# Allegro board Try it by yourself - iMX6Rex module - Create Class - Assign Color - Copy last segment.brd
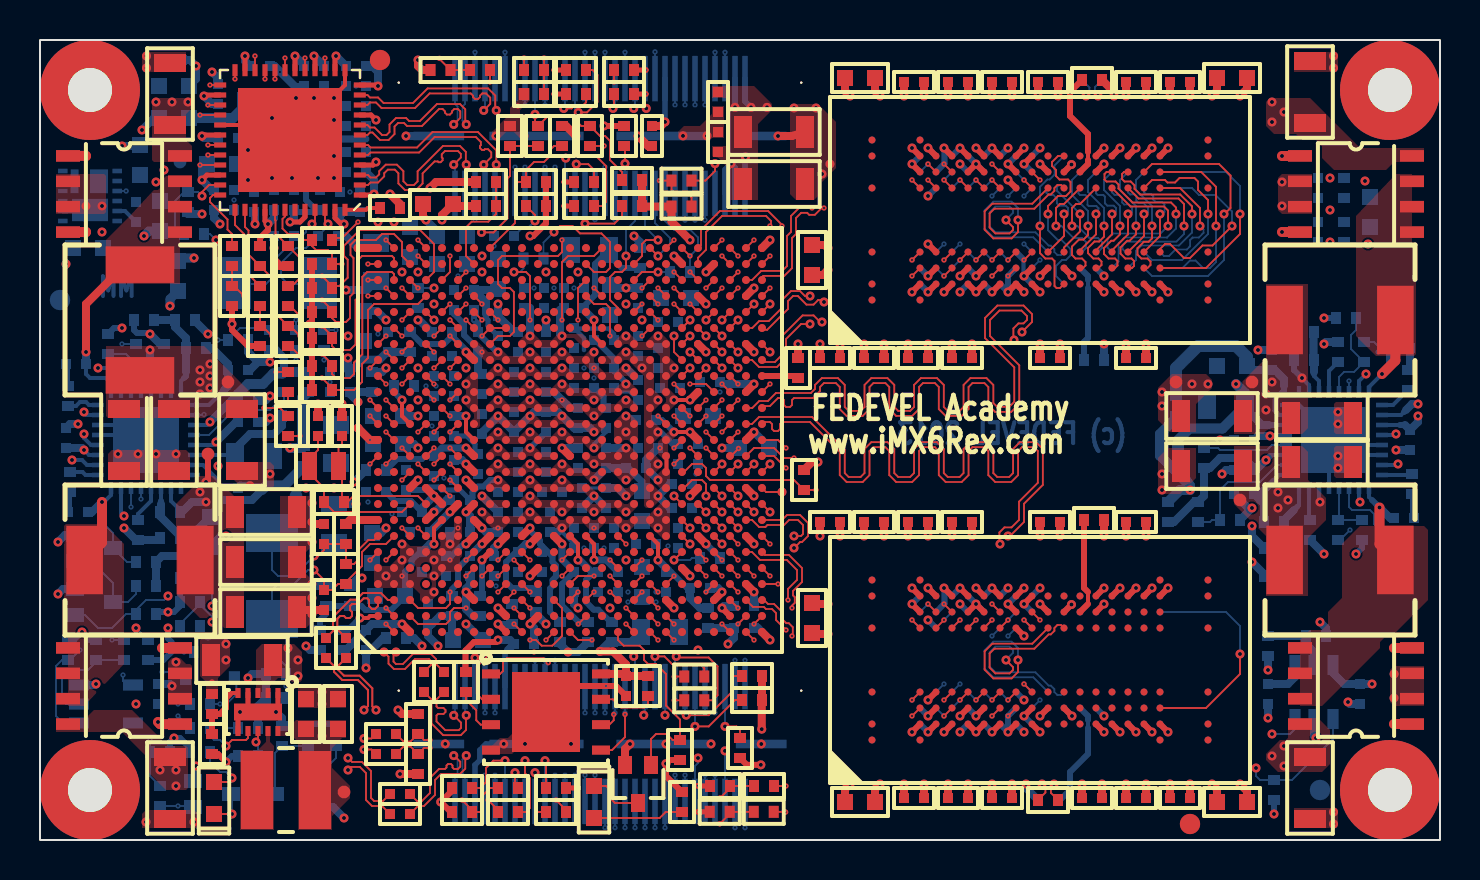
[diagram p0: board, top side]
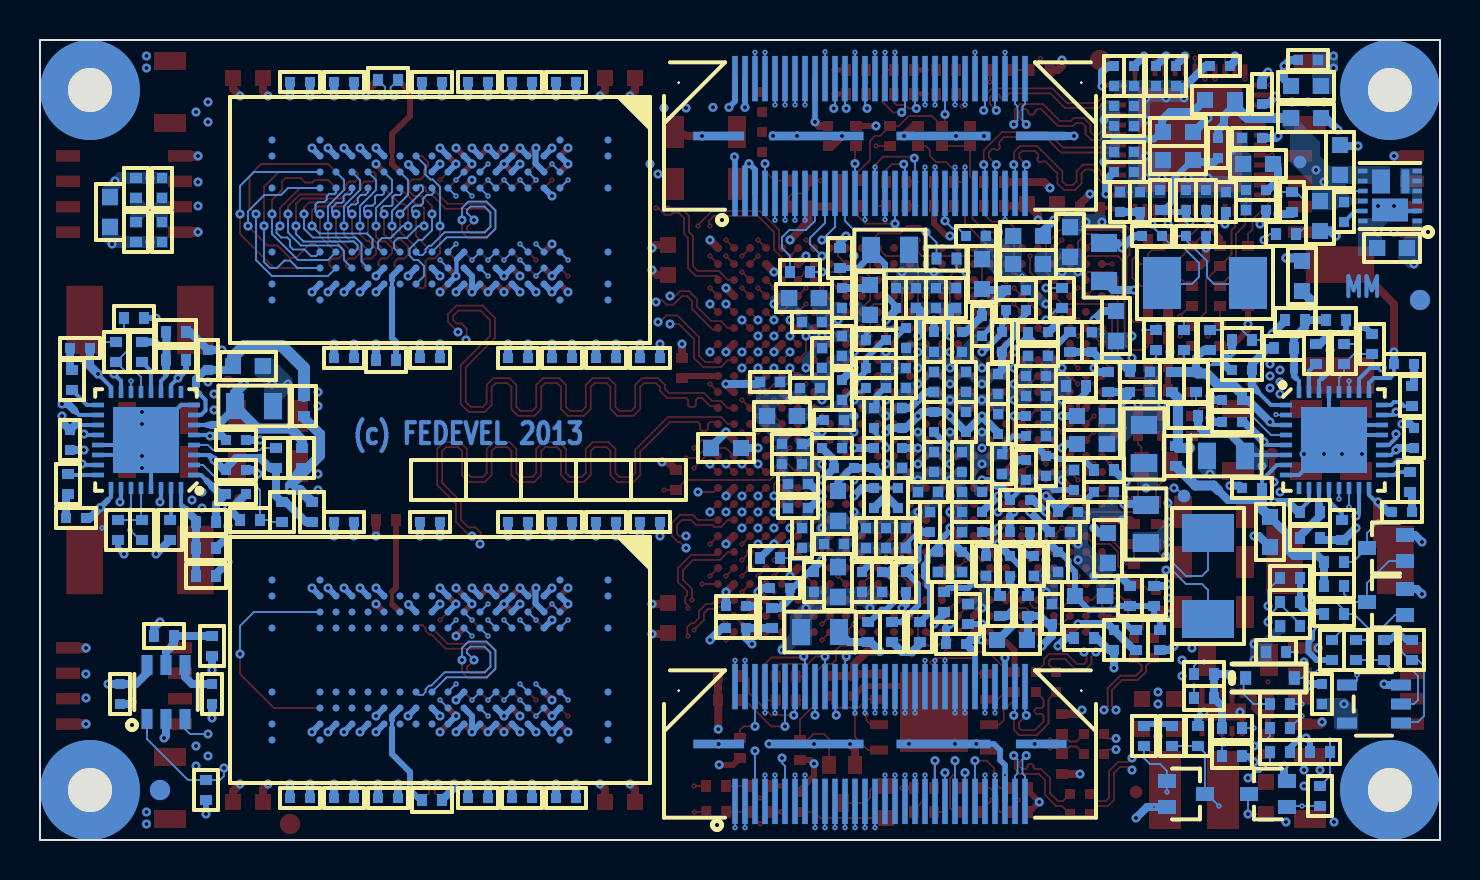
[diagram p1: board, bottom side, seen from below]

Outline 70 x 40 mm; copper layers: TOP, L2, L3, L4, L5 (PWR), L6 (PWR), L7 (PWR), L8 (PWR), L9, L10, L11, BOTTOM. Coordinates in mm from the lower left corner of the outline.
Outline path: rectangle 0,0 70,40

## Design rules (mm)
constraint set DEFAULT: min track width 0.08
net group DP_CLK1: nets CLK1_N CLK1_P
net group DP_HDMI_CLK: nets HDMI_CLK_N HDMI_CLK_P
net group DP_HDMI_D0: nets HDMI_D0_N HDMI_D0_P
net group DP_HDMI_D1: nets HDMI_D1_N HDMI_D1_P
net group DP_HDMI_D2: nets HDMI_D2_N HDMI_D2_P
net group DP_LVDS0_CLK: nets LVDS0_CLK_N LVDS0_CLK_P
net group DP_LVDS0_TX0: nets LVDS0_TX0_N LVDS0_TX0_P
net group DP_LVDS0_TX1: nets LVDS0_TX1_N LVDS0_TX1_P
net group DP_LVDS0_TX2: nets LVDS0_TX2_N LVDS0_TX2_P
net group DP_LVDS0_TX3: nets LVDS0_TX3_N LVDS0_TX3_P
net group DP_PCIE_C_TX: nets PCIE_C_TX_N PCIE_C_TX_P
net group DP_PCIE_RX: nets PCIE_RX_N PCIE_RX_P
net group DP_PCIE_TX: nets PCIE_TX_N PCIE_TX_P
net group DP_SATA_C_RX: nets SATA_C_RX_N SATA_C_RX_P
net group DP_SATA_C_TX: nets SATA_C_TX_N SATA_C_TX_P
net group DP_SATA_RX: nets SATA_RX_N SATA_RX_P
net group DP_SATA_TX: nets SATA_TX_N SATA_TX_P
net group DP_TRD0: nets TRD0_N TRD0_P
net group DP_TRD1: nets TRD1_N TRD1_P
net group DP_TRD2: nets TRD2_N TRD2_P
net group DP_TRD3: nets TRD3_N TRD3_P
net group DP_USB0: nets USB0_N USB0_P
net group DP_USB1: nets USB1_N USB1_P
net group DRAM_CLK_DQS_TO_CLK: nets DRAM_DQS0_N DRAM_DQS0_P
net group DRAM_DATA_BANK0: nets DRAM_D0 DRAM_D1 DRAM_D2 DRAM_D3 DRAM_D4 DRAM_D5 DRAM_D6 DRAM_D7 DRAM_DQM0
net group ENC_DRAM_ADDR_CMD_CTL: nets DRAM_A0 DRAM_A1 DRAM_A2 DRAM_A3 DRAM_A4 DRAM_A5 DRAM_A6 DRAM_A7 DRAM_A8 DRAM_A9 DRAM_A10 DRAM_A11 DRAM_A12 DRAM_A13 DRAM_A14 DRAM_A15
net group ENC_DRAM_CLKS: nets DRAM_CLK0_N DRAM_CLK0_P DRAM_CLK1_N DRAM_CLK1_P
net group ENC_DRAM_DATA_BANK1: nets DRAM_D8 DRAM_D9 DRAM_D10 DRAM_D11 DRAM_D12 DRAM_D13 DRAM_D14 DRAM_D15 DRAM_DQM1 DRAM_DQS1_N DRAM_DQS1_P
net group ENC_DRAM_DATA_BANK2: nets DRAM_D16 DRAM_D17 DRAM_D18 DRAM_D19 DRAM_D20 DRAM_D21 DRAM_D22 DRAM_D23 DRAM_DQM2 DRAM_DQS2_N DRAM_DQS2_P
net group ENC_DRAM_DATA_BANK3: nets DRAM_D24 DRAM_D25 DRAM_D26 DRAM_D27 DRAM_D28 DRAM_D29 DRAM_D30 DRAM_D31 DRAM_DQM3 DRAM_DQS3_N DRAM_DQS3_P
net group ENC_DRAM_DATA_BANK4: nets DRAM_D32 DRAM_D33 DRAM_D34 DRAM_D35 DRAM_D36 DRAM_D37 DRAM_D38 DRAM_D39 DRAM_DQM4 DRAM_DQS4_N DRAM_DQS4_P
net group ENC_DRAM_DATA_BANK5: nets DRAM_D40 DRAM_D41 DRAM_D42 DRAM_D43 DRAM_D44 DRAM_D45 DRAM_D46 DRAM_D47 DRAM_DQM5 DRAM_DQS5_N DRAM_DQS5_P
net group ENC_DRAM_DATA_BANK6: nets DRAM_D48 DRAM_D49 DRAM_D50 DRAM_D51 DRAM_D52 DRAM_D53 DRAM_D54 DRAM_D55 DRAM_DQM6 DRAM_DQS6_N DRAM_DQS6_P
net group ENC_DRAM_DATA_BANK7: nets DRAM_D56 DRAM_D57 DRAM_D58 DRAM_D59 DRAM_D60 DRAM_D61 DRAM_D62 DRAM_D63 DRAM_DQM7 DRAM_DQS7_N DRAM_DQS7_P
net group ENC_DRAM_OTHER: nets DRAM0_ZQ DRAM1_ZQ DRAM2_ZQ DRAM3_ZQ DRAM_RESET_B
net group ENC_POWERS: nets +1V1_NVCC_PLL_OUT +1V1_VDDSOC_CAP +1V2_ETH +1V2_ETH_AVDDL +1V2_ETH_AVDDL_PLL +1V2_ETH_DVDDL +1V2_VDD_ARM_CAP +1V5_DDR +1V375 +1V375_VDDSOC_IN +2V5 +2V5_ETH_DVDDH +2V5_VDDHIGH_VPH +3V0_ALWAYS +3V3 +3V3_ETH_AVDDH +5V_LDO1 +5V_LDO2 +5V_PVCC1 +5V_PVCC2 +5V_USB_VBUS +5V_VCC1 +5V_VCC2 +DDR_VREF +HDMI_VP +HDMI_VPH +LVDS_2V5 +NVCC_CSI +NVCC_ENET +NVCC_MIPI +NVCC_RGMII +PCIE_VP +PCIE_VPH +PCIE_VPTX +SATA_VP +SATA_VPH +VDD_SNVS_CAP +VDDPU +VDDUSB +VIN +VREF1_2V_1V5 +VREF1_2V_1V375 +VREF1_3V3_1V5 +VREF1_3V3_1V375 GND

## Placement (name value [footprint] x y rotation side)
C1  -  [C0402_6]  24.2 9.8 0 bottom
C2  -  [C1206_1]  36.7 35.4 0 top
C3  -  [C0402_7]  50.5 15.9 180 top
C4  -  [C0402]  52.6 2.1 180 top
C5  -  [C0402_8]  50.5 15.9 180 bottom
C6  -  [C0402_1]  52.6 2.1 180 bottom
C7  -  [C0402_9]  35.2 11.7 0 bottom
C8  -  [C0402_10]  50.4 37.9 180 top
C9  -  [C0402_11]  50.5 24.1 180 top
C10  -  [C0402_184]  50.4 37.9 180 bottom
C11  -  [C0402_12]  50.5 24.1 180 bottom
C12  -  [C0603_7]  38.6 11.1 270 top
C13  -  [C0603_4]  59.6 1.9 0 top
C14  -  [C0603_3]  41 1.9 180 top
C15  -  [C0603_5]  41 38.1 180 top
C16  -  [C0603_6]  59.6 38.1 0 top
C17  -  [C0603_8]  38.6 29 90 top
C18  -  [C0402_185]  63.9 32.6 270 bottom
C19  -  [C0603_36]  66.5 31.4 270 bottom
C20  -  [C0402_186]  63.9 30.4 270 bottom
C21  -  [C0402_23]  57 2.1 0 top
C22  -  [C0402_24]  54.8 15.9 0 top
C23  -  [C0402_25]  46.1 15.9 180 top
C24  -  [C0402_26]  41.7 15.9 180 top
C25  -  [C0402_27]  43.9 15.9 180 top
C26  -  [C0402_28]  39.5 15.9 180 top
C27  -  [C0402_13]  43.7 2.1 0 top
C28  -  [C0402_14]  45.9 2.1 180 top
C29  -  [C0402_15]  48.1 2.1 180 top
C30  -  [C0402_16]  54.8 2.1 0 top
C31  -  [C0402_33]  43.9 24.1 180 top
C32  -  [C0402_34]  54.8 24.1 0 top
C33  -  [C0402_35]  46.1 24.1 180 top
C34  -  [C0402_17]  48.1 37.9 180 top
C35  -  [C0402_18]  57 37.9 0 top
C36  -  [C0402_5]  43.7 37.9 180 top
C37  -  [C0402_19]  45.9 37.9 180 top
C38  -  [C0402_20]  54.8 37.9 0 top
C39  -  [C0402_21]  39.5 24.1 180 top
C40  -  [C0402_22]  41.7 24.1 180 top
C41  -  [C0402_42]  57 2.1 0 bottom
C42  -  [C0402_43]  54.8 15.9 0 bottom
C43  -  [C0402_44]  41.7 15.9 180 bottom
C44  -  [C0402_45]  46.1 15.9 180 bottom
C45  -  [C0402_46]  43.9 15.9 180 bottom
C46  -  [C0402_47]  39.5 15.9 180 bottom
C47  -  [C0402_29]  43.7 2.1 0 bottom
C48  -  [C0402_30]  48.1 2.1 180 bottom
C49  -  [C0402_31]  45.9 2.1 180 bottom
C50  -  [C0402_32]  54.8 2.1 0 bottom
C51  -  [C0402_48]  41.7 24.1 180 bottom
C52  -  [C0402_49]  46.1 24.1 180 bottom
C53  -  [C0402_50]  43.9 24.1 180 bottom
C54  -  [C0402_51]  54.8 24.1 0 bottom
C55  -  [C0402_36]  57 37.9 0 bottom
C56  -  [C0402_37]  45.9 37.9 180 bottom
C57  -  [C0402_38]  43.7 37.9 180 bottom
C58  -  [C0402_39]  54.8 37.9 0 bottom
C59  -  [C0402_40]  48.1 37.9 180 bottom
C60  -  [C0402_41]  39.5 24.1 180 bottom
C61  -  [C0402_52]  21.5 13.7 270 bottom
C62  -  [C0402_53]  23.4 15.4 0 bottom
C63  -  [C0402_54]  15.3 9.6 270 top
C64  -  [C0402_55]  20.3 13.7 270 bottom
C65  -  [C0402_56]  14.3 9.6 270 top
C66  -  [C0402_57]  17.3 4.3 0 top
C67  -  [C0402_58]  17.3 5.3 0 top
C68  -  [C0402_59]  20.2 21.2 180 bottom
C69  -  [C0402_60]  19.2 7.9 270 top
C70  -  [C0402_61]  20.2 7.9 270 top
C71  -  [C0402_62]  18 1.3 0 top
C72  -  [C0402_63]  18 2.3 0 top
C73  -  [C0402_64]  19.7 18.7 270 bottom
C74  -  [C0402_65]  23.2 30.2 0 bottom
C75  -  [C0402_66]  23.9 13.9 270 bottom
C76  -  [C0402_67]  26.7 12.9 270 bottom
C77  -  [C0402_68]  31.3 12.9 270 bottom
C78  -  [C0402_188]  19.4 11.3 90 bottom
C79  -  [C0402_69]  18.6 16.4 180 bottom
C80  -  [C0603_9]  16.6 14.6 270 bottom
C81  -  [C0402_70]  19 15.4 180 bottom
C82  -  [C0402_71]  16.8 17.4 180 bottom
C83  -  [C0402_72]  14.2 15.3 90 top
C84  -  [C0402_73]  14.2 12 270 top
C85  -  [C0402_74]  15.1 20.7 90 top
C86  -  [C0402_75]  13.9 20.7 90 top
C87  -  [C0402_76]  66 7.3 270 bottom
C88  -  [C0402_77]  61.4 7.3 270 bottom
C89  -  [C0402_78]  5.9 7.3 90 bottom
C90  -  [C0402_79]  25.5 15.9 270 bottom
C91  -  [C0402_80]  25.6 17.4 0 bottom
C92  -  [C0402_81]  22.1 20.8 90 bottom
C93  -  [C0402_82]  23.7 20.9 90 bottom
C94  -  [C0402_83]  25.3 20.9 270 bottom
C95  -  [C0402_84]  26.9 21.1 90 bottom
C96  -  [C0603_10]  30.1 12.9 270 bottom
C97  -  [C0402_85]  28.3 21.1 90 bottom
C98  -  [C0402_86]  20.2 20.2 180 bottom
C99  -  [C0402_87]  25.3 18.9 270 bottom
C100  -  [C0402_88]  23.4 17.4 0 bottom
C101  -  [C0603_11]  17.4 19.8 180 bottom
C102  -  [C0402_89]  29.8 18.6 0 bottom
C103  -  [C0402_90]  21.9 18.8 270 bottom
C104  -  [C0402_91]  23.9 18.9 270 bottom
C105  -  [C0402_92]  28.3 19.1 90 bottom
C106  -  [C0603_12]  30.1 16.7 270 bottom
C107  -  [C0402_93]  26.7 15.1 270 bottom
C108  -  [C0402_94]  27.7 15.1 270 bottom
C109  -  [C0402_95]  28.7 15.1 270 bottom
C110  -  [C0402_96]  30.3 14.8 0 bottom
C111  -  [C0603]  17.4 21.2 180 bottom
C112  -  [C0402_97]  30.4 19.6 0 bottom
C113  -  [C0402_98]  28.2 22.6 180 bottom
C114  -  [C0402_99]  29.9 22.5 90 bottom
C115  -  [C0402_100]  28.3 17.1 270 bottom
C116  -  [C0402_101]  27.1 17.1 270 bottom
C117  -  [C0402_102]  30.3 21 0 bottom
C118  -  [C0603_2]  32.9 21.2 0 bottom
C119  -  [C0402_103]  28.2 25 0 bottom
C120  -  [C0402_104]  26.7 23.1 90 bottom
C121  -  [C0402_105]  28.2 23.6 180 bottom
C122  -  [C0402_106]  21.9 24.9 90 bottom
C123  -  [C0402_107]  23.7 22.9 270 bottom
C124  -  [C0402_108]  25.3 22.9 270 bottom
C125  -  [C0402_109]  21.2 26.5 0 bottom
C126  -  [C0402_110]  22.1 22.8 270 bottom
C127  -  [C0603_13]  20.6 28.8 0 bottom
C128  -  [C0603_14]  16.2 25.7 270 bottom
C129  -  [C0603_15]  28.5 27 90 bottom
C130  -  [C0402_111]  26.7 25.1 90 bottom
C131  -  [C0402_112]  22.9 25.7 90 bottom
C132  -  [C0402_113]  21.2 27.5 180 bottom
C133  -  [C0402_114]  25.3 24.9 90 bottom
C134  -  [C0402_115]  23.9 24.9 90 bottom
C135  -  [C0603_1]  22.9 28.3 90 bottom
C136  -  [C0402_116]  23.4 16.4 0 bottom
C137  -  [C0805]  14.8 19.8 90 bottom
C138  -  [C0402_117]  26.9 19.1 270 bottom
C139  -  [C0402_118]  21 17 0 bottom
C140  -  [C0402_119]  18.3 18 90 bottom
C141  -  [C0805_1]  14.7 15.8 270 bottom
C142  -  [C0402_120]  20.7 18.5 270 bottom
C143  -  [C0402_121]  21 15.4 180 bottom
C144  -  [C0402_122]  26.2 27.1 90 bottom
C145  -  [C0402_123]  27.9 12.9 270 bottom
C146  -  [C0402_124]  25.2 27.1 90 bottom
C147  -  [C0805_2]  31 10.4 0 bottom
C148  -  [C0805_3]  16.8 28.9 90 bottom
C149  -  [C0402_125]  25.1 13.9 270 bottom
C150  -  [C0402_126]  19.1 13.9 270 bottom
C151  -  [C0603_16]  17.5 12.2 180 bottom
C152  -  [C0402_127]  20.1 25.4 180 bottom
C153  -  [C0402_128]  17.4 24.9 90 bottom
C154  -  [C0402_129]  20.2 23.2 180 bottom
C155  -  [C0402_130]  27.2 27.1 90 bottom
C156  -  [C0805_4]  27.5 29.5 180 bottom
C157  -  [C0402_131]  30.9 24.1 90 bottom
C158  -  [C0402_132]  32.1 16.6 0 bottom
C159  -  [C0402_133]  29.9 24.7 90 bottom
C160  -  [C0402_134]  29.9 27.1 90 bottom
C161  -  [C0402_135]  31.9 15.1 270 bottom
C162  -  [C0402_136]  32.1 17.8 0 bottom
C163  -  [C0402_137]  28.9 12.9 270 bottom
C164  -  [C0402_138]  20.2 22.2 180 bottom
C165  -  [C0402_139]  20.1 24.2 180 bottom
C166  -  [C0402_140]  24.2 27.1 90 bottom
C167  -  [C0402_141]  31.4 25.9 0 bottom
C168  -  [C0402_142]  31.5 22.6 0 bottom
C169  -  [C0402_143]  32.4 18.8 0 bottom
C170  -  [C0402_144]  32.4 19.8 0 bottom
C171  -  [C0402_145]  33.5 22.9 0 bottom
C172  -  [C0603_17]  35.7 19.6 0 bottom
C173  -  [C0603_18]  31.8 27.1 0 bottom
C174  -  [C0402_146]  22.7 13.7 270 bottom
C175  -  [C0402_147]  14.4 30.2 0 bottom
C176  -  [C0402_148]  12.2 30.2 180 bottom
C177  -  [C0603_19]  2.4 29.6 0 bottom
C178  -  [C0603_20]  5 34 90 bottom
C179  -  [C0402_149]  4.8 31.4 270 bottom
C180  -  [C0603_21]  6.7 37.7 180 bottom
C181  -  [C0402_150]  6.6 39 180 bottom
C182  -  [C0402_151]  10.7 31.9 90 bottom
C183  -  [C0402_152]  9.4 35.1 0 bottom
C184  -  [C0402_153]  8.9 37.3 90 bottom
C185  -  [C0402_154]  15.3 38.2 270 bottom
C186  -  [C0603_22]  13.1 35.4 180 bottom
C187  -  [C0402_155]  15.8 35.7 180 bottom
C188  -  [C0402_156]  15.8 34.4 180 bottom
C189  -  [C0402_157]  15.8 36.7 180 bottom
C190  -  [C0402_158]  16 31.9 90 bottom
C191  -  [C0603_23]  13.1 34 0 bottom
C192  -  [C0402_159]  14 32 90 bottom
C193  -  [C0402_160]  12.7 32 90 bottom
C194  -  [C0603_24]  9.1 33.8 0 bottom
C195  -  [C0402_161]  9.2 31.5 0 bottom
C196  -  [C0402_162]  14.2 38.2 270 bottom
C197  -  [C0402_163]  9.2 32.5 0 bottom
C198  -  [C0402_164]  11.7 32 90 bottom
C199  -  [C0603_25]  20.6 30.2 0 bottom
C200  -  [C0402_165]  15.8 33.4 180 bottom
C201  -  [C0402_166]  16.3 38.2 270 bottom
C202  -  [C0402_167]  15 31.9 90 bottom
C203  -  [C0402_168]  29.3 7.7 270 top
C204  -  [C0603_26]  8.5 15.4 270 bottom
C205  -  [C0402_169]  9.4 17.6 0 bottom
C206  -  [C0402_170]  1.3 20.1 90 bottom
C207  -  [C0402_171]  10.4 22 0 bottom
C208  -  [C0805_5]  10.7 19.2 0 bottom
C209  -  [C1206_2]  6.5 2.6 270 top
C210  -  [C1206_3]  6.5 37.3 90 top
C211  -  [C0402_172]  1.9 16.4 180 bottom
C212  -  [C0402_173]  1.8 23.8 0 bottom
C213  -  [C1206_4]  11.3 13.9 0 top
C214  -  [C1206_5]  11.3 16.4 0 top
C215  -  [C1206_6]  11.3 11.4 0 top
C216  -  [C1206_7]  6.7 20 270 top
C217  -  [C1206_8]  4.2 20 270 top
C218  -  [C0402_174]  10.4 20.9 0 bottom
C219  -  [C0402_175]  9.9 23.5 0 bottom
C220  -  [C1206_9]  10.1 9 180 top
C221  -  [C0603_27]  13.3 6.3 90 top
C222  -  [C0603_28]  14.9 6.3 90 top
C223  -  [C0603_29]  59.6 23.7 180 bottom
C224  -  [C0402_176]  61.6 24 90 bottom
C225  -  [C0402_177]  68.5 20 270 bottom
C226  -  [C0402_178]  60.2 18.5 180 bottom
C227  -  [C0805_6]  59.3 21.7 180 bottom
C228  -  [C1206_10]  63.5 37.4 90 top
C229  -  [C1206_11]  63.5 2.6 270 top
C230  -  [C0402_179]  68 24.6 0 bottom
C231  -  [C0402_180]  68.2 16.1 180 bottom
C232  -  [C1206_12]  10.1 20 270 top
C233  -  [C1206_13]  58.6 21.2 180 top
C234  -  [C1206_14]  64.1 21.1 0 top
C235  -  [C1206_15]  64.1 18.9 0 top
C236  -  [C1206_16]  58.6 18.7 180 top
C237  -  [C0402_181]  60.2 20 180 bottom
C238  -  [C0402_182]  60.2 17.3 180 bottom
C239  -  [C0402_4]  33.9 36.9 270 top
C240  -  [C0402_3]  33.9 34.9 90 top
C241  -  [C1206]  36.7 32.8 0 top
C242  -  [C0402_187]  30.6 35.2 270 top
C243  -  [C0402_2]  33 12.6 0 bottom
C244  -  [C0402_189]  16.3 10 90 bottom
C245  -  [C0402_190]  35.2 10.6 0 bottom
C246  -  [C0402_191]  15 22.4 180 bottom
C247  -  [C0402_192]  15 23.4 180 bottom
C248  -  [C0402_193]  13.2 38.2 270 bottom
C249  -  [C0402_194]  11 38.7 0 bottom
D1  -  [SOD323]  8.5 8.1 180 bottom
D2  -  [LED_0603]  8.7 2.1 90 top
D3  -  [LED_0603_1]  27.7 1.9 270 top
FB1  -  [C0603_30]  21.4 10 0 bottom
FB2  -  [C0603_31]  18.5 29.9 90 bottom
FB3  -  [C0603_32]  6.7 36.1 180 bottom
FB4  -  [C0603_33]  11 37 0 bottom
FB5  -  [C0402_183]  11.1 34.6 270 bottom
FB6  -  [C0603_34]  6.9 28.2 90 bottom
FB7  -  [C0603_35]  19.9 31.8 180 top
FB8  -  [C0603_37]  6 31.2 270 bottom
FID1  -  [FID_40X52D_3]  57.5 0.8 90 top
FID2  -  [FID_40X52D_2]  64 2.5 90 bottom
FID3  -  [FID_40X52D_1]  17 39 90 top
FID4  -  [FID_40X52D]  1 27 90 bottom
J1  -  [QSH-030-01-L-D-A_1]  28 35.2 90 bottom
J2  -  [QSH-030-01-L-D-A]  28 4.8 90 bottom
L1  -  [IHLP_255MILX270MIL]  5 14 180 top
L2  -  [IHLP_255MILX270MIL_1]  5 26 270 top
L3  -  [VLCF4020]  12.3 2.5 0 top
L4  -  [IHLP_255MILX270MIL_2]  65 26 0 top
L5  -  [IHLP_255MILX270MIL_3]  65 14 180 top
MH1  -  [MH_5MMD_2_2MMD]  67.5 37.5 0 top
MH2  -  [MH_5MMD_2_2MMD_1]  67.5 2.5 0 top
MH3  -  [MH_5MMD_2_2MMD_2]  2.5 2.5 0 top
MH4  -  [MH_5MMD_2_2MMD_3]  2.5 37.5 0 top
Q1  -  [SC70_SOT323_1]  8.6 2.3 0 bottom
Q2  -  [SC70_SOT323_2]  29.9 2.8 270 top
Q3  -  [8_SOIC_3_9MM]  4.2 7.7 180 top
Q4  -  [8_SOIC_3_9MM_1]  4.2 32.3 0 top
Q5  -  [SC70_SOT323_3]  2.7 14.6 0 bottom
Q6  -  [8_SOIC_3_9MM_2]  65.8 32.3 0 top
Q7  -  [8_SOIC_3_9MM_3]  65.8 7.7 180 top
Q8  -  [SC70_SOT323_4]  2.7 11.9 0 bottom
Q9  -  [SC70_SOT323]  12.7 2.3 180 bottom
R1  -  [R0402_159]  12.4 22.9 90 top
R2  -  [R0402_144]  52.6 38 0 bottom
R3  -  [R0402_145]  50.4 2 0 top
R4  -  [R0402_23]  52.7 16 180 top
R5  -  [R0402_24]  50.4 2 0 bottom
R6  -  [R0402_25]  38.2 18 270 top
R7  -  [R0402_26]  33.5 14.1 180 bottom
R8  -  [R0402_27]  52.6 38 180 top
R9  -  [R0402_28]  52.7 24 180 bottom
R10  -  [R0402_29]  37.9 23.6 90 top
R11  -  [R0402_30]  65.2 32.6 90 bottom
R12  -  [R0402_31]  65.2 30.4 90 bottom
R13  -  [R0402_32]  20.6 11.7 90 bottom
R14  -  [R0402_33]  17.8 10.1 0 bottom
R15  -  [R0402_146]  15.2 10 90 bottom
R16  -  [R0402_34]  18.9 5.8 270 top
R17  -  [R0402_163]  18.9 3.8 90 top
R18  -  [R0402_35]  16.6 22.9 90 bottom
R19  -  [R0402_36]  16.8 18.5 0 bottom
R20  -  [R0402_37]  18.2 22.7 180 bottom
R21  -  [R0402_38]  24.8 31.7 0 top
R22  -  [R0402_39]  29.6 33 0 top
R23  -  [R0402_40]  24.8 11.9 90 bottom
R24  -  [R0402_41]  24.9 35.2 90 top
R25  -  [R0402_42]  27.5 35.2 90 top
R26  -  [R0402_43]  23.5 35.2 270 top
R27  -  [R0402_44]  27.4 10.4 90 bottom
R28  -  [R0402_45]  26.8 38.5 180 top
R29  -  [R0402_46]  26.8 37.3 180 top
R30  -  [R0402_47]  23.6 11.3 270 bottom
R31  -  [R0402_48]  34 2.7 180 top
R32  -  [R0402_49]  33.99 1.41 180 top
R33  -  [R0402_18]  35 4.6 270 top
R34  -  [R0402_50]  33.4 11.1 90 bottom
R35  -  [R0402_51]  18.9 27.1 90 bottom
R36  -  [R0402_52]  12.4 27.2 270 top
R37  -  [R0402_5]  15.3 15.3 90 top
R38  -  [R0402_147]  29.6 31.7 0 top
R39  -  [R0402_148]  29.2 38.5 0 top
R40  -  [R0402_149]  29.2 35.2 90 top
R41  -  [R0402_150]  10.4 5.6 0 bottom
R42  -  [R0402_151]  11.8 7.1 180 bottom
R43  -  [R0402_152]  11.8 8.3 180 bottom
R44  -  [R0402_53]  27.2 31.7 180 top
R45  -  [R0402_54]  27.2 32.9 180 top
R46  -  [R0402_55]  35.6 7 0 top
R47  -  [R0402_56]  35.6 8.2 0 top
R48  -  [R0402_57]  5.4 9.5 270 bottom
R49  -  [R0402_58]  32.07 31.67 180 top
R50  -  [R0402_158]  12.4 20.7 90 top
R51  -  [R0402_162]  32.07 32.97 0 top
R52  -  [R0402_161]  14.2 25 270 bottom
R53  -  [R0402_59]  15.3 13.3 270 top
R54  -  [R0402_60]  14.7 16.9 180 top
R55  -  [R0402_61]  7.5 13.1 180 bottom
R56  -  [R0402_62]  8.2 9.4 180 bottom
R57  -  [R0402_63]  7.5 10.7 180 bottom
R58  -  [R0402_64]  12.1 5.2 270 bottom
R59  -  [R0402_65]  61.4 9.7 270 bottom
R60  -  [R0402_66]  61.7 2.5 270 bottom
R61  -  [R0402_67]  22 11.7 90 bottom
R62  -  [R0402_68]  25.8 2.6 0 top
R63  -  [R0402_69]  21.1 1.4 180 top
R64  -  [R0402_70]  21.1 2.6 180 top
R65  -  [R0402_71]  14.1 30 180 top
R66  -  [R0402_160]  12.8 25 270 bottom
R67  -  [R0402_72]  63.8 10.2 180 bottom
R68  -  [R0402_73]  1.4 9.5 90 bottom
R69  -  [R0402_74]  2.8 9.5 90 bottom
R70  -  [R0402_75]  8 6.8 180 bottom
R71  -  [R0402_76]  4.2 9.5 270 bottom
R72  -  [R0402_157]  32.71 6.98 0 top
R73  -  [R0402_154]  5.3 11.3 0 bottom
R74  -  [R0402_77]  30 29.1 90 bottom
R75  -  [R0402_78]  14.1 28.8 180 top
R76  -  [R0402_79]  28.6 10.4 270 bottom
R77  -  [R0402_80]  14 10 90 bottom
R78  -  [R0402_81]  26 10.4 270 bottom
R79  -  [R0402_82]  14.3 12.2 270 bottom
R80  -  [R0402_83]  18.5 24.9 270 bottom
R81  -  [R0402_84]  24.7 38.5 180 top
R82  -  [R0402_85]  22 38.5 0 top
R83  -  [R0402_86]  7.7 30.3 180 bottom
R84  -  [R0402_87]  17.5 31.6 0 top
R85  -  [R0402_88]  9.6 29.2 90 top
R86  -  [R0402_89]  11 27.2 90 top
R87  -  [R0402_90]  9.6 27.2 270 top
R88  -  [R0402_91]  12.4 25.2 90 top
R89  -  [R0402_92]  11 29.2 90 top
R90  -  [R0402_156]  23.4 2.6 0 top
R91  -  [R0402_93]  14.1 22.5 180 top
R92  -  [R0402_155]  25.8 1.4 180 top
R93  -  [R0402_153]  8 5.6 180 bottom
R94  -  [R0402_94]  20.02 38.5 180 top
R95  -  [R0402_95]  14.1 27.6 180 top
R96  -  [R0402_96]  14.1 25.1 180 top
R97  -  [R0402_97]  14.1 23.7 180 top
R98  -  [R0402_98]  14.1 26.4 180 top
R99  -  [R0402_99]  12.4 29.2 90 top
R100  -  [R0402_19]  29.2 37.3 0 top
R101  -  [R0402_100]  7.4 31.9 90 bottom
R102  -  [R0402_101]  24.7 37.3 0 top
R103  -  [R0402_17]  7.5 11.9 180 bottom
R104  -  [R0402_16]  13.4 5.2 90 bottom
R105  -  [R0402_15]  15.5 12.2 90 bottom
R106  -  [R0402_164]  10.4 4.2 180 bottom
R107  -  [R0402_4]  6 2.2 90 bottom
R108  -  [R0402_3]  4.8 24.3 270 bottom
R109  -  [R0402_102]  30.4 7.7 270 top
R110  -  [R0402_103]  21.3 7.9 90 top
R111  -  [R0402_12]  22.3 31.7 180 top
R112  -  [R0402_104]  24.67 29.08 180 bottom
R113  -  [R0402_105]  8 4.4 180 bottom
R114  -  [R0402_106]  32.1 1.9 90 top
R115  -  [R0402_107]  32 4.5 270 top
R116  -  [R0402_108]  13.2 19.2 270 bottom
R117  -  [R0402_109]  12.6 21.2 0 bottom
R118  -  [R0402_110]  13.4 22.9 90 bottom
R119  -  [R0402_14]  7.25 26 0 bottom
R120  -  [R0402_13]  7.8 24.6 180 bottom
R121  -  [R0402_111]  1.4 22.2 90 bottom
R122  -  [R0402_112]  1.5 17.9 90 bottom
R123  -  [R0402_113]  6.5 16.4 0 bottom
R124  -  [R0402_114]  6.2 24.3 90 bottom
R125  -  [R0402_115]  4.9 15.5 90 bottom
R126  -  [R0402_116]  6.5 15.1 0 bottom
R127  -  [R0402_117]  12.2 22.9 90 bottom
R128  -  [R0402_118]  11.5 25 270 bottom
R129  -  [R0402_119]  6 4.4 0 bottom
R130  -  [R0402_120]  3.4 24.8 90 bottom
R131  -  [R0402_121]  5.3 12.7 0 bottom
R132  -  [R0402_122]  5.3 13.9 0 bottom
R133  -  [R0402_123]  9.9 25 180 bottom
R134  -  [R0402_124]  61.7 14.6 180 bottom
R135  -  [R0402_125]  61.7 15.9 180 bottom
R136  -  [R0402_126]  5.2 26 0 bottom
R137  -  [R0402_11]  24.8 32.9 0 top
R138  -  [R0402_127]  8.6 4.8 270 top
R139  -  [R0402_128]  8.6 6.8 270 top
R140  -  [R0402_129]  56.8 21.7 90 bottom
R141  -  [R0402_130]  56.9 19.1 270 bottom
R142  -  [R0402_131]  56.4 16.4 270 bottom
R143  -  [R0402_10]  22.3 32.9 0 top
R144  -  [R0402_9]  26.1 35.2 270 top
R145  -  [R0402_132]  68.4 23 270 bottom
R146  -  [R0402_133]  68.6 17.8 270 bottom
R147  -  [R0402_134]  63.2 24 180 bottom
R148  -  [R0402_135]  63.5 15.5 270 bottom
R149  -  [R0402_136]  64.9 24.4 270 bottom
R150  -  [R0402_137]  63.2 25.4 0 bottom
R151  -  [R0402_138]  58.2 19.1 270 bottom
R152  -  [R0402_139]  57.9 16.4 90 bottom
R153  -  [R0402_140]  65.3 26.1 180 bottom
R154  -  [R0402_141]  66.1 15.5 270 bottom
R155  -  [R0402_142]  59.5 16 180 bottom
R156  -  [R0402_8]  36.19 1.41 180 top
R157  -  [R0402_7]  36.2 2.7 180 top
R158  -  [R0402_143]  61.7 13.2 0 bottom
R159  -  [R0402_22]  32 28.4 0 bottom
R160  -  [R0402_21]  32.71 8.17 0 top
R161  -  [R0402_20]  23.4 1.4 0 top
R162  -  [R0402_6]  11 25.2 270 top
R163  -  [R0402_2]  66.2 24.4 270 bottom
R164  -  [R0402_1]  64.9 15.5 90 bottom
R165  -  [R0402]  14.8 5.2 90 bottom
TP3  -  [TP_25C_7]  12.8 17.2 90 bottom
TP5  -  [TP_25C_1]  7 33.9 90 bottom
TP6  -  [TP_25C_2]  8.4 19.3 90 top
TP7  -  [TP_25C_3]  9.4 22.9 90 top
TP8  -  [TP_25C_4]  60.6 22.9 90 top
TP9  -  [TP_25C_5]  60 17 90 top
TP10  -  [TP_25C_6]  56.8 22.9 90 top
TP11  -  [TP_25C]  15.2 2.4 90 top
U1  -  [PBGA624]  26.5 20 90 top
U2  -  [96_FPGA_DD3]  50 9 90 top
U3  -  [96_FPGA_DD3_1]  50 9 270 bottom
U4  -  [96_FPGA_DD3_2]  50 31 90 top
U5  -  [96_FPGA_DD3_3]  50 31 270 bottom
U6  -  [DBV_SOT_23_6]  63.7 7.4 90 bottom
U7  -  [DBV_SOT_23_5]  3.3 6.8 0 bottom
U8  -  [QFN48_7MMX7MM]  12.5 35 180 top
U9  -  [MLF_3X3_12PINS]  2.5 32.2 0 bottom
U10  -  [WSON8_6X5MM]  25.3 6.4 0 top
U11  -  [32_VFQFN_EXPOSED_PAD]  5.3 20 180 bottom
U12  -  [DQC_PWSON-N10]  10.9 6.4 270 top
U13  -  [32_VFQFN_EXPOSED_PAD_1]  64.7 20 0 bottom
Y1  -  [ABM7_V1_1]  11.6 13.2 270 bottom
Y2  -  [ABS06]  14.2 18.7 180 top
Y3  -  [ABM7_V1_1]  11.75 27.85 0 bottom
